# Allegro board T736_DEMO_DBOARD_V0-5-draft.brd (continued)
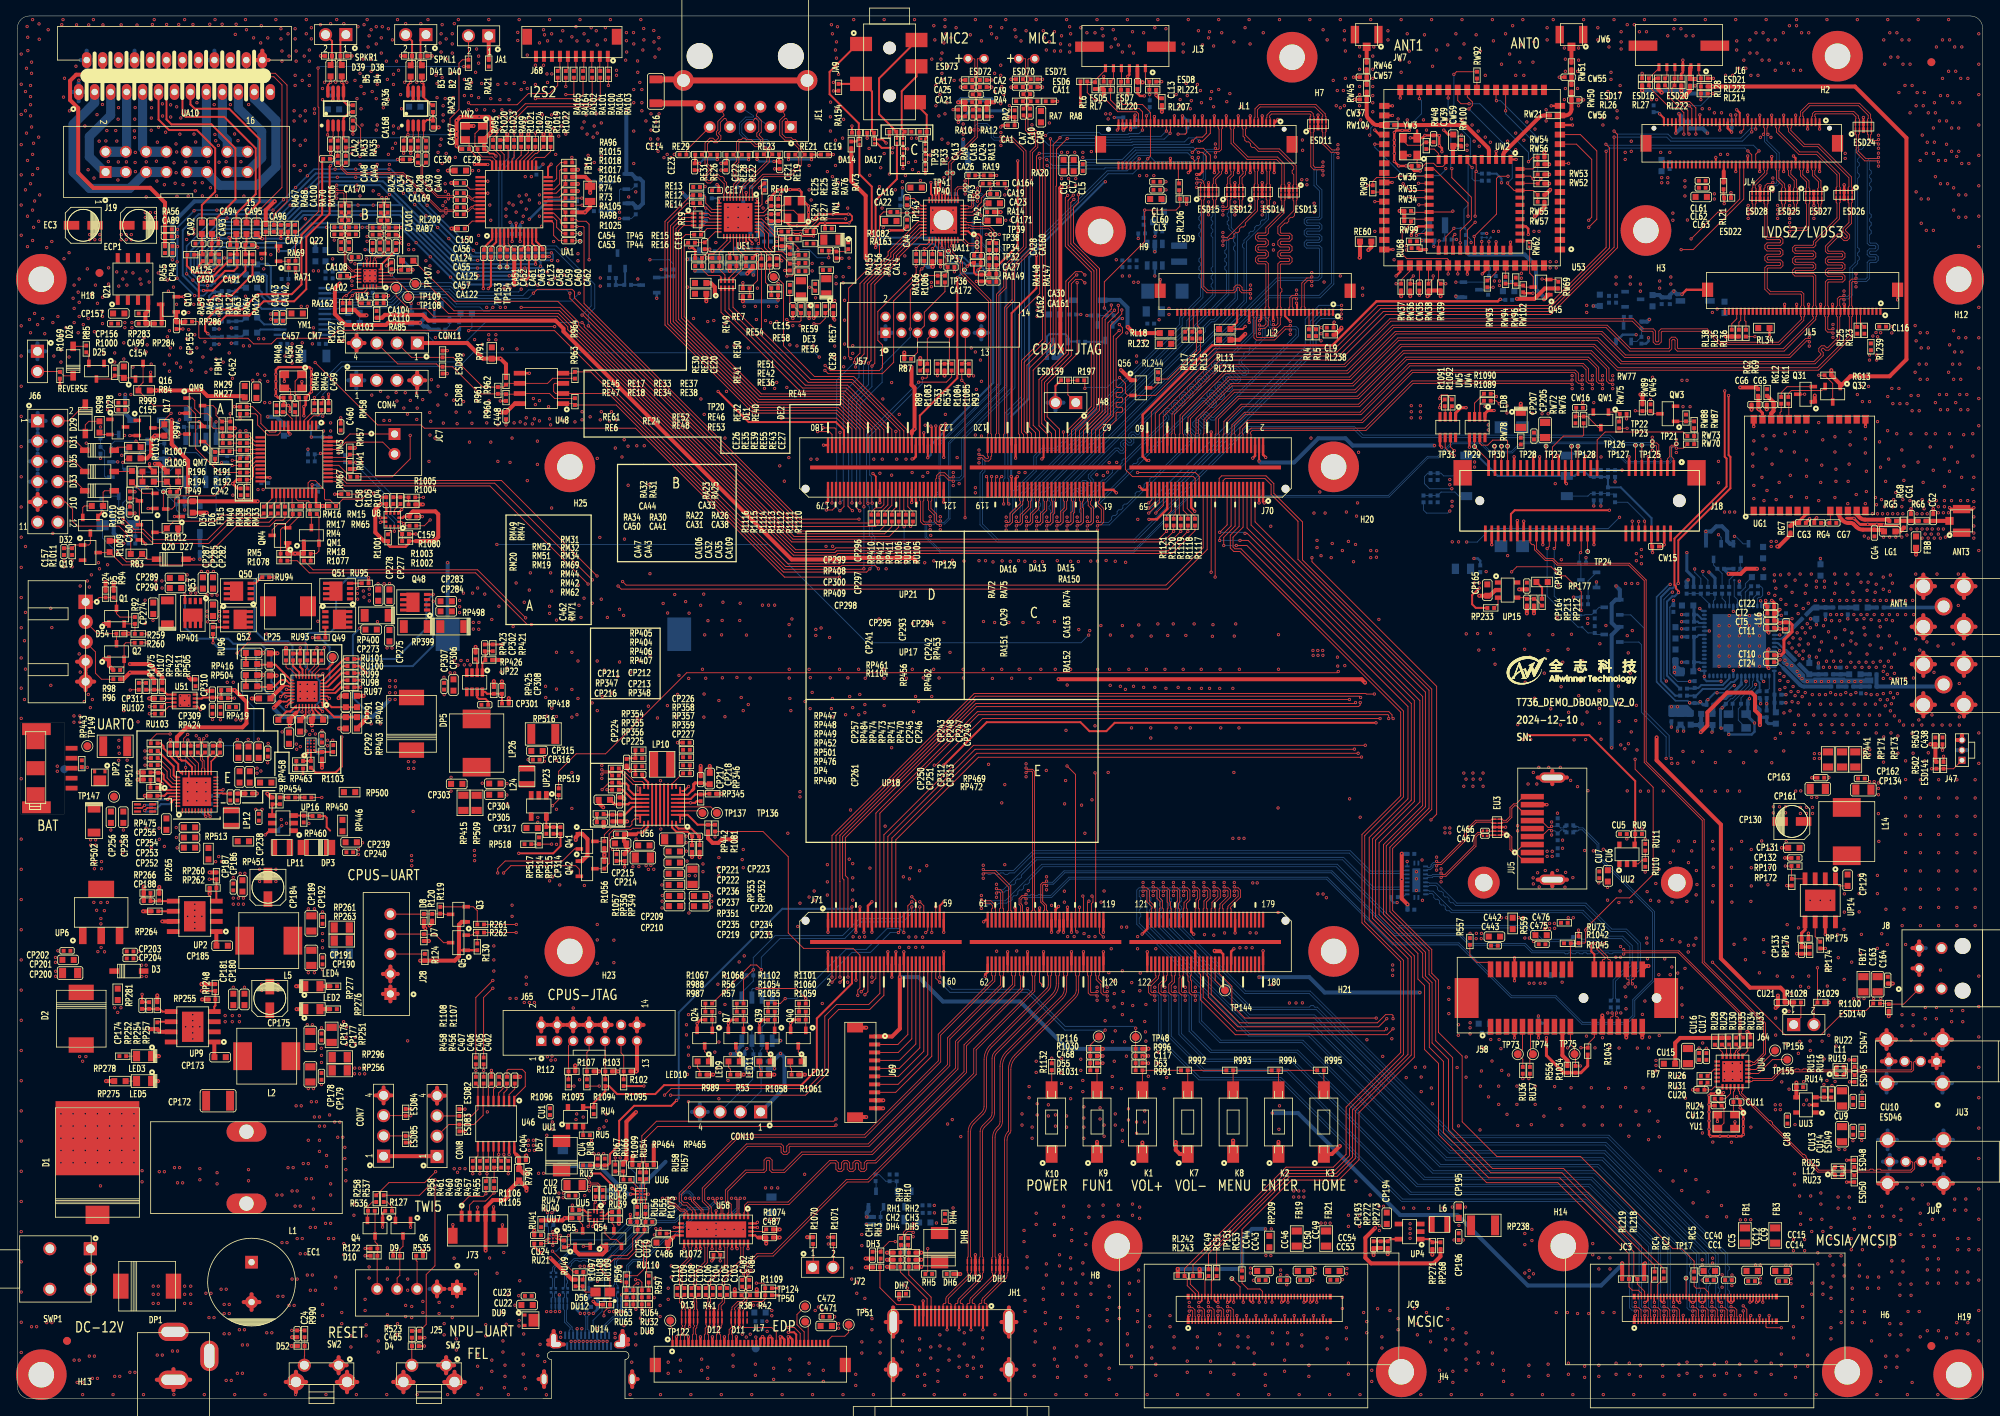
[diagram p0: board, top side]
## Routing (per net, layer and track width the routed paths; a pad name or vN(x,y) marks a point on that pad's centre or on a via; arc(x,y) is an arc through that point) (continued)
v1(182.78,58.32) v1(182.75,57.66) v1(182.93,95.89) v1(183.01,158.88) v1(183.01,5.84) v1(183.01,4.45) v1(183.13,156.97) v1(183.08,93.83) v1(183.24,33.68) v1(183.26,168.91) v1(183.29,39.17) v1(183.41,58.32) v1(183.39,57.66) v1(183.41,41.07) v1(183.44,0.51) v1(183.57,43.92) v1(183.9,165.86) v1(183.9,158.12) v1(183.86,124.37) v1(184.3,37.82) v1(184.53,157.48) v1(184.56,95.94) v1(184.73,42.32) v1(184.78,172.85) v1(184.78,5.72) v1(184.78,4.32) v1(184.91,170.18) v1(184.94,93.9) v1(185.04,140.08) v1(185.12,92.05) v1(185.57,39.17) v1(185.57,36.88) v1(185.67,140.08) v1(185.67,139.52) v1(185.93,167.26) v1(185.85,43.87) v1(185.95,41.15) v1(186.18,3.56) v1(186.18,2.16) v1(186.44,171.07) v1(186.61,124.43) v1(186.61,123.55) v1(186.61,35.64) v1(186.69,157.61) v1(186.69,105.66) v1(186.82,40.56) v1(186.94,168.53) v1(187.25,0.51) v1(187.32,172.09) v1(187.71,165.86) v1(187.71,158.62) v1(187.71,156.54) v1(187.94,71.81) v1(187.94,71.17) v1(187.86,39.17) v1(187.86,36.88) v1(187.96,84.48) v1(187.96,34.24) v1(188.21,167.51) v1(188.34,169.67) v1(188.59,172.85) v1(188.72,165.86) v1(188.72,157.73) v1(188.82,93.93) v1(188.85,57.73) v1(188.85,20.7) v1(188.85,19.3) v1(188.9,89.79) v1(189.1,160.02) v1(189.26,77.04) v1(189.38,95.73) v1(189.41,57.73) v1(189.41,52.07) v1(189.36,4.19) v1(189.36,2.79) v1(189.48,92.94) v1(189.59,82.63) v1(189.66,34.34) v1(189.74,21.21) v1(189.74,19.81) v1(189.79,123.49) v1(189.87,167.51) v1(189.92,78.49) v1(189.89,65.28) v1(189.92,64.52) v1(189.94,57.3) v1(189.99,170.05) v1(189.99,52.07) v1(190.12,159.13) v1(190.07,87.78) v1(190.14,39.17) v1(190.14,36.88) v1(190.35,77.04) v1(190.45,65.91) v1(190.6,79.12) v1(190.65,64.14) v1(190.78,52.07) v1(191.01,123.44) v1(191.06,0.51) v1(191.24,35.41) v1(191.29,90.93) v1(191.41,66.19) v1(191.36,52.07) v1(191.52,161.54) v1(191.52,160.15) v1(191.64,171.83) v1(191.64,170.31) v1(191.74,93.78) v1(191.77,123.44) v1(191.85,79.12) v1(191.77,4.32) v1(191.77,2.92) v1(192.02,142.49) v1(192.02,141.73) v1(192.1,86.46) v1(192.2,72.27) v1(192.2,70.65) v1(192.41,172.85) v1(192.35,95.76) v1(192.58,39.12) v1(192.79,142.49) v1(192.79,141.73) v1(192.79,10.8) v1(192.94,73.38) v1(192.91,66.22) v1(193.24,36.35) v1(193.32,84.45) v1(193.29,79.12) v1(193.42,105.16) v1(193.4,89.23) v1(193.5,34.26) v1(193.6,92.3) v1(193.57,70) v1(193.57,68.99) v1(193.8,169.29) v1(193.8,162.81) v1(193.93,167.89) v1(193.93,166.37) v1(193.93,164.21) v1(193.88,64.11) v1(193.95,65.96) v1(194.21,43.97) v1(194.18,10.8) v1(194.26,93.93) v1(194.34,86.03) v1(194.31,4.45) v1(194.31,3.05) v1(194.59,77.5) v1(194.64,38.96) v1(194.69,160.4) v1(194.69,95.81) v1(194.77,128.22) v1(194.77,126.59) v1(194.87,65.3) v1(194.87,0.51) v1(195.02,82.58) v1(195.45,166.37) v1(195.45,164.21) v1(195.45,76.71) v1(195.45,10.67) v1(195.58,169.29) v1(195.58,167.77) v1(195.58,162.05) v1(195.61,88.11) v1(195.83,89.92) v1(196.04,128.22) v1(196.04,126.59) v1(196.04,84.56) v1(196.09,124.84) v1(196.09,92.46) v1(196.22,172.85) v1(196.34,68.71) v1(196.27,36.58) v1(196.27,34.29) v1(196.34,4.06) v1(196.34,2.67) v1(196.47,82.6) v1(196.6,137.03) v1(196.6,136.14) v1(196.65,86.06) v1(196.57,45.44) v1(196.75,76.2) v1(196.85,10.67) v1(197.18,38.96) v1(197.31,128.22) v1(197.31,126.59) v1(197.41,118.03) v1(197.43,68.66) v1(197.36,19.43) v1(197.36,18.03) v1(197.49,124.84) v1(197.64,43.97) v1(197.99,171.83) v1(197.99,170.31) v1(198.12,64.64) v1(198.12,17.65) v1(198.12,16.26) v1(198.12,4.19) v1(198.12,2.79) v1(198.25,94.61) v1(198.2,91.31) v1(198.17,88.72) v1(198.2,86.51) v1(198.22,84.66) v1(198.4,118.03) v1(198.4,82.65) v1(198.63,160.53) v1(198.63,159.64) v1(198.58,128.22) v1(198.58,126.59) v1(198.58,45.24) v1(198.55,36.58) v1(198.55,34.29) v1(198.63,10.8) v1(198.68,68.86) v1(198.68,0.51) v1(198.81,57.02) v1(199.01,96.9) v1(199.21,64.08) v1(199.21,62.48) v1(199.24,48.34) v1(199.26,163.83) v1(199.26,162.94) v1(199.34,38.89) v1(199.39,170.31) v1(199.39,169.42) v1(199.49,43.97) v1(199.52,17.65) v1(199.52,16.26) v1(199.64,166.24) v1(199.64,165.35) v1(199.85,128.22) v1(199.85,126.59) v1(200.03,172.85) v1(200.03,10.8) v1(200.28,140.59) v1(200.28,139.7) v1(200.25,55.32) v1(200.28,4.45) v1(200.28,3.05) v1(200.41,161.42) v1(200.41,160.53) v1(200.58,89.31) v1(200.63,62.18) v1(200.71,87.15) v1(200.66,84.89) v1(200.66,43.94) v1(200.79,164.59) v1(200.79,163.7) v1(200.79,63.63) v1(200.84,56.67) v1(200.84,55.32) v1(200.84,36.58) v1(200.84,34.29) v1(200.91,171.32) v1(200.91,170.05) v1(200.91,169.16) v1(200.86,81.94) v1(200.87,48.34) v1(201.42,156.21) v1(201.42,155.32) v1(201.37,81.46) v1(201.4,51.61) v1(201.5,50.37) v1(201.52,48.87) v1(201.47,38.99) v1(201.63,70.15) v1(201.68,172.21) v1(201.68,95.63) v1(201.68,76.17) v1(201.8,93.47) v1(201.88,32.89) v1(201.93,4.45) v1(201.93,3.05) v1(202.06,140.59) v1(202.06,139.7) v1(202.06,90.93) v1(202.18,157.61) v1(202.18,156.34) v1(202.18,83.57) v1(202.18,62.28) v1(202.31,96.27) v1(202.29,64.9) v1(202.49,0.51) v1(202.56,172.21) v1(202.74,84.99) v1(202.71,51.61) v1(202.69,12.07) v1(202.82,86.89) v1(202.77,36.02) v1(202.9,81.31) v1(202.95,43.94) v1(203.12,34.29) v1(203.2,171.32) v1(203.33,139.7) v1(203.33,138.81) v1(203.33,76.15) v1(203.33,4.19) v1(203.33,2.79) v1(203.56,71.4) v1(203.58,48.16) v1(203.66,38.96) v1(203.84,172.85) v1(203.94,70.13) v1(203.93,66) v1(203.89,49.83) v1(204.09,171.32) v1(204.11,57.73) v1(204.14,57.1) v1(204.17,63.55) v1(204.22,55.14) v1(204.34,76.15) v1(204.34,43.94) v1(204.34,32.46) v1(204.44,36.07) v1(204.47,45.31) v1(204.6,125.22) v1(204.6,62.46) v1(204.82,120.5) v1(204.82,118.87) v1(205.26,64.57) v1(205.51,34.77) v1(205.64,62.36) v1(205.64,53.14) v1(205.74,140.08) v1(205.74,139.19) v1(205.66,66.34) v1(205.69,45.52) v1(205.69,32.82) v1(205.82,28.57) v1(205.87,156.21) v1(205.99,57.43) v1(206.12,4.19) v1(206.12,2.79) v1(206.2,76.17) v1(206.3,0.51) v1(206.38,55.12) v1(206.76,170.81) v1(207.01,156.21) v1(207.14,140.59) v1(207.14,139.7) v1(207.06,67.18) v1(207.06,53.14) v1(207.26,79.63) v1(207.29,62.23) v1(207.31,57.53) v1(207.26,54.1) v1(207.39,148.59) v1(207.39,147.7) v1(207.42,27.28) v1(207.52,171.7) v1(207.47,68.66) v1(207.65,172.85) v1(207.83,120.22) v1(207.83,118.59) v1(207.9,38.94) v1(208,79.63) v1(208,53.34) v1(207.98,40.36) v1(208.1,69.88) v1(208.15,4.32) v1(208.15,2.92) v1(208.28,57.25) v1(208.41,171.7) v1(208.51,51.49) v1(208.53,49.35) v1(208.51,26.09) v1(208.58,47.8) v1(208.66,124.33) v1(208.66,81.13) v1(208.81,40.31) v1(208.9,152.65) v1(208.9,151.89) v1(208.9,150.74) v1(208.91,53.92) v1(209.04,170.81) v1(208.97,37.67) v1(208.99,28.57) v1(209.14,62.33) v1(209.17,4.57) v1(209.17,3.18) v1(209.35,67.18) v1(209.32,55.98) v1(209.55,124.33) v1(209.75,68.66) v1(209.93,170.81) v1(209.93,35.51) v1(209.93,24.54) v1(209.96,79.78) v1(210.11,69.82) v1(210.11,0.51) v1(210.34,66.19) v1(210.31,63.14) v1(210.29,57.71) v1(210.29,27.46) v1(210.41,64.44) v1(210.68,43.94) v1(210.85,36.8) v1(210.95,4.19) v1(210.95,2.79) v1(210.97,76.17) v1(211.07,161.67) v1(211.07,81.13) v1(211.12,44.58) v1(211.1,33.3) v1(211.07,17.4) v1(211.07,16.76) v1(211.07,14.86) v1(211.46,172.85) v1(211.59,43.92) v1(211.68,22.81) v1(211.81,25.93) v1(211.96,161.67) v1(212.37,69.85) v1(212.45,68.88) v1(212.45,66.6) v1(212.45,64.31) v1(212.37,62.26) v1(212.39,32.16) v1(212.6,161.16) v1(212.6,4.32) v1(212.6,2.92) v1(212.72,79.73) v1(212.7,76.12) v1(213.11,117.47) v1(213.11,114.81) v1(213.36,155.96) v1(213.49,161.16) v1(213.49,24.21) v1(213.84,42.01) v1(213.85,40.99) v1(213.87,39.98) v1(213.92,0.51) v1(214,165.86) v1(214.12,22.78) v1(214.12,4.57) v1(214.12,3.18) v1(214.25,155.96) v1(214.25,76.17) v1(214.55,81.13) v1(214.73,68.88) v1(214.73,66.6) v1(214.73,64.31) v1(214.73,32.13) v1(214.78,62.23) v1(214.8,15.49) v1(214.79,14.17) v1(214.88,165.86) v1(214.85,42.02) v1(214.87,41.01) v1(214.88,39.99) v1(215.06,56.95) v1(215.26,172.85) v1(215.39,170.18) v1(215.39,169.04) v1(215.65,166.75) v1(215.75,76.15) v1(215.77,4.32) v1(215.77,2.92) v1(215.87,42.04) v1(215.89,41.02) v1(215.9,40.01) v1(216,69.85) v1(216.28,167.77) v1(216.26,79.71) v1(216.43,57.58) v1(216.53,166.75) v1(216.48,55.02) v1(216.83,149.56) v1(216.83,147.93) v1(217.04,170.31) v1(217.04,168.66) v1(217.17,165.86) v1(217.22,68.83) v1(217.22,66.55) v1(217.22,64.26) v1(217.17,62.33) v1(217.17,34.04) v1(217.73,0.51) v1(217.81,171.2) v1(217.81,81.15) v1(217.76,16.75) v1(217.81,4.7) v1(217.81,3.3) v1(217.93,168.66) v1(218.06,165.86) v1(218.24,53.37) v1(218.34,16.75) v1(218.34,14.49) v1(218.37,158.09) v1(218.36,15.1) v1(218.52,69.9) v1(218.57,167.77) v1(218.69,171.2) v1(218.74,57.53) v1(218.8,55.93) v1(219.07,172.85) v1(219.33,170.31) v1(219.3,64.41) v1(219.46,167.77) v1(219.51,68.83) v1(219.51,66.55) v1(219.68,158.09) v1(219.71,4.45) v1(219.71,3.05) v1(219.79,79.71) v1(219.92,152.99) v1(219.92,151.36) v1(219.99,74.19) v1(219.99,73.42) v1(220.22,170.31) v1(220.22,166.5) v1(220.22,82.75) v1(220.24,41.71) v1(220.27,47.7) v1(220.27,45.57) v1(220.52,149.56) v1(220.52,147.93) v1(220.47,52.96) v1(220.75,74.19) v1(220.75,73.42) v1(220.88,83.39) v1(220.98,167.39) v1(221.03,39.7) v1(220.98,5.59) v1(220.98,4.19) v1(221.23,171.2) v1(221.28,81.18) v1(221.51,74.19) v1(221.51,73.42) v1(221.54,0.51) v1(221.59,69.8) v1(221.62,44.48) v1(221.56,16.73) v1(221.72,59.41) v1(221.72,57.12) v1(221.74,55.8) v1(221.87,167.39) v1(221.95,48.56) v1(221.95,38.79) v1(222,172.09) v1(222.02,149.56) v1(222.02,147.93) v1(222.02,147.4) v1(222.02,145.77) v1(222.25,50.8) v1(222.18,16.74) v1(222.2,15.04) v1(222.2,14.41) v1(222.43,83.49) v1(222.4,52.88) v1(222.5,166.5) v1(222.5,19.94) v1(222.5,18.54) v1(222.5,9.02) v1(222.5,7.62) v1(222.63,28.19) v1(222.63,26.8) v1(222.69,34.35) v1(222.78,76.15) v1(222.76,4.06) v1(222.76,2.67) v1(222.88,172.85) v1(222.88,172.09) v1(223.14,59) v1(223.11,43.28) v1(223.29,44.78) v1(223.27,25.4) v1(223.39,166.5) v1(223.42,76.17) v1(223.39,51.69) v1(223.39,23.24) v1(223.39,21.84) v1(223.52,171.2) v1(223.65,11.56) v1(223.65,10.16) v1(223.77,39.73) v1(223.79,36.84) v1(223.9,19.94) v1(223.9,18.54) v1(224.14,37.43) v1(224.28,5.46) v1(224.28,4.06) v1(224.41,171.2) v1(224.36,83.46) v1(224.41,52.96) v1(224.41,51.56) v1(224.49,133.55) v1(224.49,131.93) v1(224.59,62.46) v1(224.59,44.83) v1(224.61,43.64) v1(224.66,25.4) v1(224.66,22.48) v1(224.79,75.36) v1(224.79,20.95) v1(224.79,14.48) v1(224.79,13.08) v1(225.06,147.93) v1(225.35,0.51) v1(225.43,75.36) v1(225.55,18.29) v1(225.55,16.89) v1(225.86,62.46) v1(225.93,25.78) v1(225.93,24.38) v1(226.03,83.46) v1(226.09,44.81) v1(226.06,22.48) v1(226.19,20.95) v1(226.19,14.48) v1(226.19,13.08) v1(226.34,42.57) v1(226.31,39.37) v1(226.69,172.85) v1(226.69,53.87) v1(226.75,51.71) v1(226.69,39.88) v1(226.92,45.54) v1(227.13,62.46) v1(227.08,17.91) v1(227.2,21.46) v1(227.2,20.07) v1(227.2,13.97) v1(227.2,12.57) v1(227.2,8.89) v1(227.2,7.49) v1(227.33,39.24) v1(227.45,134.64) v1(227.45,133.01) v1(227.46,16.76) v1(227.46,15.37) v1(227.58,83.49) v1(227.71,39.75) v1(227.84,44.2) v1(228.02,58.14) v1(228.12,55.27) v1(228.09,25.27) v1(228.09,23.88) v1(228.2,31.24) v1(228.3,49.68) v1(228.47,17.91) v1(228.47,10.92) v1(228.47,9.53) v1(228.83,138.82) v1(228.83,58.83) v1(228.88,63.27) v1(228.88,60.99) v1(228.85,52.55) v1(228.94,31.22) v1(228.85,16.76) v1(228.85,15.37) v1(228.98,156.08) v1(228.98,155.45) v1(229.24,83.46) v1(229.49,25.27) v1(229.49,23.88) v1(229.74,20.07) v1(229.74,18.67) v1(229.79,54.71) v1(229.87,13.84) v1(229.87,12.45) v1(229.87,10.92) v1(229.87,9.53) v1(229.96,32.34) v1(230.12,22.61) v1(230.12,21.21) v1(230.33,140.98) v1(230.33,139.35) v1(230.5,172.85) v1(230.5,125.86) v1(230.63,83.46) v1(230.73,65.58) v1(230.73,63.3) v1(230.73,61.01) v1(230.76,16.76) v1(230.76,15.37) v1(230.89,55.8) v1(231.01,126.87) v1(231.01,58.19) v1(231.01,39.37) v1(231.05,32.36) v1(231.14,124.97) v1(231.1,38.43) v1(231.14,20.07) v1(231.14,18.67) v1(231.39,10.92) v1(231.39,9.53) v1(231.78,15.24) v1(231.78,13.84) v1(231.9,126.87) v1(232.03,124.97) v1(232.03,77.34) v1(232.03,22.86) v1(232.03,21.46) v1(232.28,7.24) v1(232.54,50.16) v1(232.61,77.34) v1(232.87,83.44) v1(233.02,65.58) v1(233.02,63.3) v1(233.02,56.44) v1(232.97,0.51) v1(233.15,77.17) v1(233.15,76.48) v1(233.15,75.69) v1(233.15,73.33) v1(233.15,158.34) v1(233.15,156.72) v1(233.15,156.11) v1(233.15,154.48) v1(233.2,80.47) v1(233.2,69.85) v1(233.17,15.24) v1(233.17,13.84) v1(233.3,20.45) v1(233.3,19.05) v1(233.43,50.16) v1(233.43,2.16) v1(233.55,58.27) v1(233.55,24.13) v1(233.68,22.86) v1(233.81,170.31) v1(233.81,82.93) v1(233.78,79.78) v1(233.93,167.26) v1(234.09,61.34) v1(234.06,5.33) v1(234.06,3.94) v1(234.31,172.85) v1(234.31,125.6) v1(234.26,56.92) v1(234.57,171.2) v1(234.57,9.4) v1(234.57,8) v1(234.7,168.15) v1(234.72,83.44) v1(234.7,20.45) v1(234.7,19.05) v1(234.82,133.58) v1(234.82,126.62) v1(234.82,17.27) v1(234.82,15.88) v1(234.86,134.37) v1(234.95,124.71) v1(235.08,22.86) v1(235.46,171.2) v1(235.46,5.33) v1(235.46,3.94) v1(235.59,168.15) v1(235.59,83.06) v1(235.59,80.9) v1(235.71,163.7) v1(235.71,126.62) v1(235.84,124.71) v1(235.84,20.57) v1(235.84,14.35) v1(235.84,12.95) v1(235.97,23.75) v1(235.97,22.35) v1(235.97,9.4) v1(235.97,8) v1(236.09,170.31) v1(236.12,59.28) v1(236.09,48.13) v1(236.09,46.74) v1(236.22,167.26) v1(236.22,17.27) v1(236.22,15.88) v1(236.35,61.34) v1(236.47,164.59) v1(236.55,79.93) v1(236.55,77.6) v1(236.55,75.31) v1(236.55,73.03) v1(236.55,70.74) v1(236.55,68.45) v1(236.55,66.17) v1(236.55,63.88) v1(236.55,56.92) v1(236.73,124.71) v1(236.73,26.42) v1(236.78,0.51) v1(236.85,10.92) v1(236.85,6.1) v1(236.98,170.31) v1(237.11,167.26) v1(237.11,161.16) v1(237.24,125.73) v1(237.24,44.96) v1(237.24,20.57) v1(237.24,14.35) v1(237.24,12.95) v1(237.36,164.59) v1(237.36,123.83) v1(237.36,83.39) v1(237.36,2.03) v1(237.49,80.9) v1(237.49,48.13) v1(237.49,46.74) v1(237.49,25.02) v1(237.74,134.49) v1(237.74,128.65) v1(237.87,162.05) v1(237.87,151.26) v1(237.87,132.59) v1(238,163.7) v1(238.12,172.85) v1(238.12,125.73) v1(238.25,129.67) v1(238.25,123.83) v1(238.25,10.92) v1(238.38,155.19) v1(238.38,133.6) v1(238.38,127.76) v1(238.4,77.57) v1(238.4,75.29) v1(238.4,73) v1(238.4,70.71) v1(238.4,68.43) v1(238.4,66.14) v1(238.4,63.86) v1(238.4,61.57) v1(238.4,59.28) v1(238.38,23.24) v1(238.38,21.84) v1(238.38,7.75) v1(238.51,150.37) v1(238.51,147.32) v1(238.51,131.7) v1(238.63,158.37) v1(238.63,26.8) v1(238.76,162.05) v1(238.76,20.45) v1(238.76,19.05) v1(238.89,163.7) v1(238.94,79.93) v1(239.01,49.02) v1(239.01,47.62) v1(239.01,45.72) v1(239.14,156.08) v1(239.14,146.43) v1(239.14,129.67) v1(239.27,157.48) v1(239.27,133.6) v1(239.27,127.76) v1(239.27,17.53) v1(239.27,16.13) v1(239.27,14.48) v1(239.27,8.51) v1(239.4,161.16) v1(239.4,150.37) v1(239.4,131.7) v1(239.4,80.95) v1(239.4,24.38) v1(239.9,22.48) v1(240.03,159.26) v1(240.03,156.08) v1(240.03,146.43) v1(240.16,162.43) v1(240.16,157.48) v1(240.16,20.45) v1(240.16,19.05) v1(240.28,161.16) v1(240.28,153.16) v1(240.28,124.84) v1(240.41,169.42) v1(240.41,49.02) v1(240.41,47.62) v1(240.59,0.51) v1(240.66,155.19) v1(240.69,77.57) v1(240.69,75.29) v1(240.69,73) v1(240.69,70.71) v1(240.69,68.43) v1(240.69,66.14) v1(240.69,63.86) v1(240.69,61.57) v1(240.69,59.28) v1(240.66,17.53) v1(240.66,16.13) v1(240.66,14.48) v1(240.66,8.51) v1(240.79,160.15) v1(240.79,125.86) v1(240.92,163.32) v1(240.92,152.27) v1(240.92,123.95) v1(240.92,53.72) v1(241.17,170.31) v1(241.17,165.48) v1(241.3,22.48) v1(241.55,155.19) v1(241.68,160.15) v1(241.68,157.23) v1(241.68,125.86) v1(241.68,7.62) v1(241.81,163.32) v1(241.81,152.27) v1(241.81,123.95) v1(241.94,172.85) v1(241.94,166.37) v1(241.94,128.65) v1(242.06,170.31) v1(242.06,132.08) v1(242.32,159.26) v1(242.32,156.34) v1(242.32,48.64) v1(242.32,47.24) v1(242.44,162.43) v1(242.44,129.67) v1(242.57,151.76) v1(242.57,148.97) v1(242.57,133.86) v1(242.57,127.76) v1(242.7,169.42) v1(242.7,131.19) v1(242.7,25.02) v1(242.7,23.62) v1(242.82,166.37) v1(242.82,124.84) v1(242.95,155.7) v1(242.98,77.57) v1(242.98,75.29) v1(242.98,73) v1(242.98,70.71) v1(242.98,68.43) v1(242.98,66.14) v1(242.98,63.86) v1(242.98,61.57) v1(242.98,59.28) v1(242.95,15.88) v1(242.95,14.48) v1(242.95,9.53) v1(242.95,8.13) v1(243.08,20.07) v1(243.08,18.67) v1(243.21,159.26) v1(243.21,156.34) v1(243.21,150.88) v1(243.21,148.08) v1(243.21,132.97) v1(243.33,162.43) v1(243.33,129.67) v1(243.33,125.86) v1(243.46,165.48) v1(243.46,127.76) v1(243.46,123.95) v1(243.59,169.42) v1(243.59,154.81) v1(243.59,131.19) v1(243.71,48.64) v1(243.71,47.24) v1(244.09,150.88) v1(244.09,148.08) v1(244.09,132.97) v1(244.09,25.02) v1(244.09,23.62) v1(244.22,125.86) v1(244.35,165.48) v1(244.35,123.95) v1(244.35,15.88) v1(244.35,14.48) v1(244.35,9.53) v1(244.35,8.13) v1(244.47,154.81) v1(244.47,20.07) v1(244.47,18.67) v1(245.26,77.57) v1(245.26,75.29) v1(245.26,73) v1(245.26,70.71) v1(245.26,68.43) v1(245.26,66.14) v1(245.26,63.86) v1(245.26,61.57) v1(245.26,59.28) v1(245.72,171.07) v1(245.72,167.26) v1(245.72,163.45) v1(245.72,159.64) v1(245.72,155.83) v1(245.72,152.02) v1(245.72,148.21) v1(245.72,144.4) v1(245.72,136.78) v1(245.72,132.97) v1(245.72,129.16) v1(245.72,125.35) v1(245.72,121.95) v1(245.72,106.3) v1(245.72,83.44) v1(245.72,79.63) v1(245.72,52.96) v1(245.72,49.15) v1(245.72,45.34) v1(245.72,41.53) v1(245.72,37.72) v1(245.72,33.91) v1(245.72,30.1) v1(245.72,26.29) v1(245.72,22.48) v1(245.72,18.67) v1(245.72,14.86) v1(245.72,11.05) v1(245.72,7.24)
